# KiCad board traffic_paradise.kicad_pcb (continued)
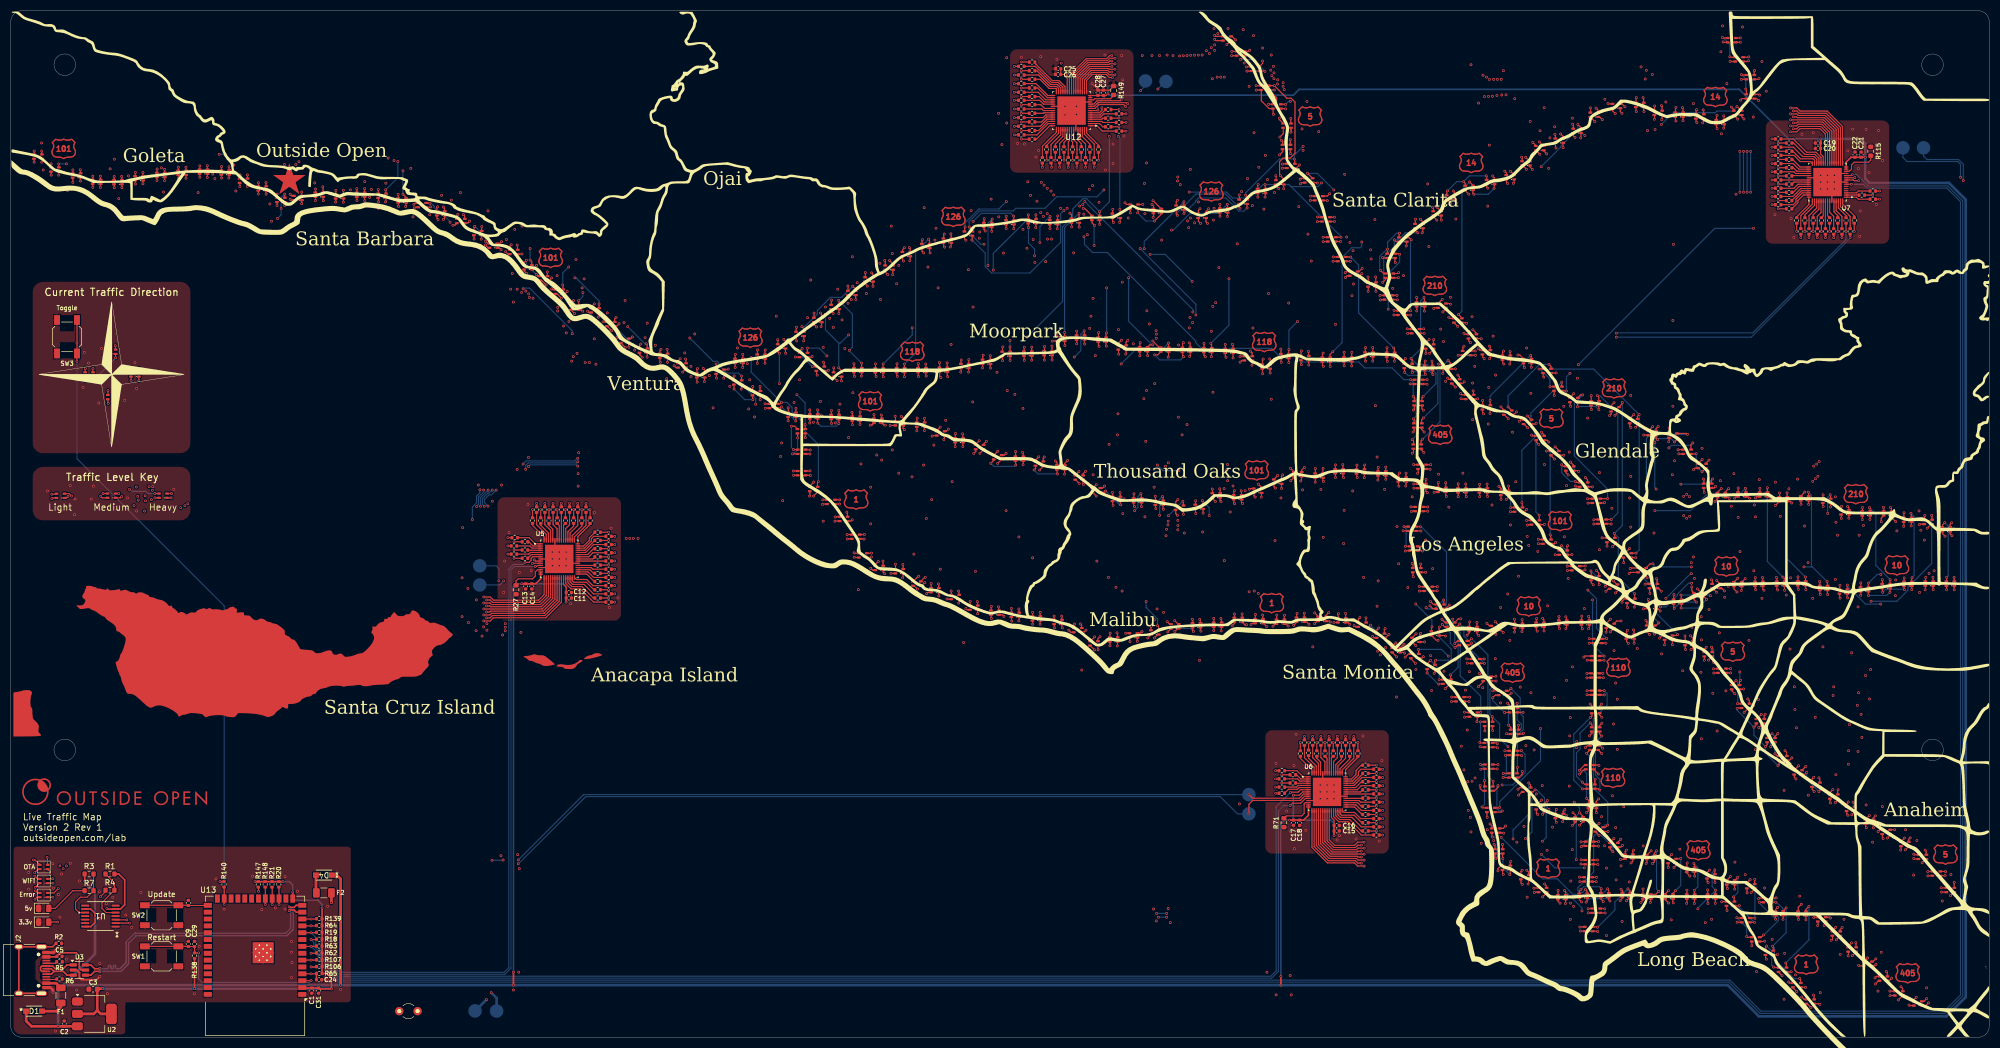
[diagram p0: board, top side]
## Routing (per net, layer and track width the routed paths; a pad name or vN(x,y) marks a point on that pad's centre or on a via; arc(x,y) is an arc through that point) (continued)
  In1.Cu w0.203: v1(299.57,27.5) 300.69,28.61 300.69,34.61 v1(300.62,34.68) ; v1(333.95,7.8) 333.95,9.12 329.32,13.75 v1(328.8,13.75) ; 277.09,37.59 277.42,37.92 285.82,37.92 288.97,34.77 v1(289.28,34.77) ; 277.09,37.59 277.09,37.14 276.4,36.45 v1(274.7,36.45) ; 277.09,37.59 277.09,38.04 274.96,40.16 274.96,41.71 v1(275.82,42.58) ; v1(272.95,70.1) 273.71,70.1 283.38,60.42 v1(283.38,57.22)
  In2.Cu w0.203: v1(250.19,35.6) 252.12,35.6 252.7,35.03 273.33,35.03 274.7,36.4 v1(274.7,36.45) ; v1(272.95,70.1) 272.41,70.64 v1(266.3,70.64) ; v1(289.28,34.77) 296.47,34.77 296.59,34.89 298.71,34.89 299.07,35.25 300.05,35.25 v1(300.62,34.68) ; v1(293.95,20.4) 294.97,21.42 295.5,21.42 296.6,22.52 315.14,22.52 323.91,13.75 v1(328.8,13.75) ; v1(283.38,57.22) 293.77,57.22 v1(294.75,58.2)
  Bottom w0.203: v1(328.8,13.75) 333.1,18.05 v1(333.1,24.25) ; v1(283.38,57.22) 283.38,51.23 275.82,43.67 v1(275.82,42.58) ; v1(299.57,27.5) 297.16,25.09 297.16,23.61 v1(293.95,20.4) ; v1(266.3,70.64) 265.06,71.88 v1(260.77,71.88)
/Matrix 2/ROW0: length 3.7
  Top w0.203: U6.58 241.84,50.26 240.41,51.69 240.41,52.07
/Matrix 2/ROW1: length 5.9
  Top w0.203: R56.1 239.65,51.82 241.44,50.03 U6.59
/Matrix 2/ROW2: length 4
  Top w0.203: R57.1 238.89,51.69 241.04,49.54 U6.60
/Matrix 2/ROW3: length 5.8
  Top w0.203: U6.48 245.84,50.26 247.27,51.69 R58.1
/Matrix 2/ROW4: length 3.6
  Top w0.203: U6.49 245.44,50.5 246.51,51.57 R59.1
/Matrix 2/ROW5: length 5.5
  Top w0.203: U6.50 245.04,51.12 245.75,51.82 R60.1
/Matrix 2/ROW6: length 5.5
  Top w0.203: R61.1 242.7,51.82 243.44,51.08 U6.54
/Matrix 2/ROW7: length 3.4
  Top w0.203: R66.1 241.94,51.69 242.64,50.99 U6.56
/Matrix 2/ROW8: length 5.6
  Top w0.203: U6.57 242.24,50.75 241.17,51.82 R67.1
/Matrix 2/ROW9: length 2.4
  Top w0.203: R68.1 238.05,47.07 U6.4
/Matrix 2/ROW10: length 4.6
  Top w0.203: R69.1 238.19,46.36 238.5,46.67 U6.5
/Matrix 2/ROW11: length 4.9
  Top w0.2: R70.1 236.71,45.95 238.36,45.95 238.67,46.27 U6.6
/Matrix 2/ROW12: length 4.9
  Top w0.203: U6.1 239.39,48.27 238.25,49.41 R72.1
/Matrix 2/ROW13: length 2.7
  Top w0.203: U6.2 238.97,47.87 238.19,48.65 R73.1
/Matrix 2/ROW14: length 4.6
  Top w0.203: R74.1 238.38,47.88 238.79,47.47 U6.3
/Matrix 2/ROW15: length 3.3
  Top w0.203: U6.51 244.64,51.73 R75.1
/Matrix 2/ROW16: length 5.2
  Top w0.203: U6.52 244.24,54.09 R76.1
/Matrix 2/ROW17: length 3.3
  Top w0.203: R77.1 243.84,51.69 U6.53
/Matrix 2/ROW18: length 4.7
  Top w0.203: U6.45 247.29,49.61 249.56,51.88 R78.1
/Matrix 2/ROW19: length 6.1
  Top w0.203: U6.46 246.64,49.54 248.79,51.69 R79.1
/Matrix 2/ROW20: length 3.9
  Top w0.203: R80.1 248.03,51.57 246.24,49.78 U6.47
/Matrix 2/ROW21: length 4
  Top w0.203: U6.42 248.71,47.07 250.44,48.81 R81.1
/Matrix 2/ROW22: length 6.4
  Top w0.203: U6.43 248.52,47.47 249.65,48.6 249.65,49.2 250.11,49.66 R82.1
/Matrix 2/ROW23: length 4.7
  Top w0.203: 250.44,50.34 R83.1 250.17,50.42 249.2,49.45 249.2,48.7 248.37,47.87 U6.44
/Matrix 2/ROW24: length 3.2
  Top w0.203: R84.1 250.38,44.27 U6.35
/Matrix 2/ROW25: length 5.2
  Top w0.203: U6.37 252.46,45.07 R85.1
/Matrix 2/ROW26: length 3.3
  Top w0.203: U6.38 250.06,45.47 R86.1
/Matrix 2/ROW27: length 5.5
  Top w0.203: R87.1 250.25,39.76 248.85,41.15 246.51,41.15 246.24,41.42 U6.29
/Matrix 2/ROW28: length 6.5
  Top w0.203: R88.1 250.06,40.52 248.92,41.66 247.01,41.66 246.65,42.03
/Matrix 2/ROW29: length 3.7
  Top w0.203: R89.1 250.32,41.28 248.93,42.67 U6.31
/Matrix 2/ROW30: length 5.5
  Top w0.203: U6.39 249.43,45.87 250.18,46.61 R90.1
/Matrix 2/ROW31: length 3.6
  Top w0.203: R91.1 250.23,47.38 249.12,46.27 U6.40
/Matrix 2/ROW32: length 5.8
  Top w0.203: R92.1 250.29,48.14 248.82,46.67 U6.41
/Matrix 2/ROW33: length 5.3
  Top w0.203: R93.1 250.06,43.57 249.76,43.87 U6.34
/Matrix 2/ROW34: length 5.6
  Top w0.203: U6.32 249.16,43.07 250.19,42.04 R94.1
/Matrix 2/ROW35: length 3.4
  Top w0.203: R95.1 250.19,42.8 249.52,43.47 U6.33
/Matrix 2/ROW36: length 10
  Top w0.203: U6.26 245.04,40.9 246,39.93 247.73,39.93 250.19,37.47 R96.1
/Matrix 2/ROW37: length 7.1
  Top w0.203: R97.1 250.14,38.23 248.03,40.34 246.17,40.34 245.44,41.07 U6.27
/Matrix 2/ROW38: length 8.3
  Top w0.203: R98.1 250.19,38.99 248.44,40.75 246.34,40.75 245.84,41.24 U6.28
/Matrix 3/COL0: length 335.8
  Top w0.203: 294.17,85.49 294.17,86.05 v1(293.73,86.5) ; 357.42,30.73 358.37,30.73 v1(358.43,30.68) ; 320.64,84.38 320.68,84.38 v1(321.3,85) ; 290.26,118.51 290.8,119.05 v1(291.2,119.05) ; 268.37,121.97 268.37,122.43 v1(268.07,122.73) ; v1(329.69,167.81) 330.87,167.81 331.47,168.41 335.14,168.41 336.15,167.4 U7.24 ; v1(318.23,101.68) 317.59,101.04 317.59,100.89 ; 274.06,127.35 274.06,127.95 v1(273.9,128.1) ; v1(295.8,99.85) 295.77,99.82 294.43,99.82 ; 265.82,101.85 265.82,102.75 v1(265.8,102.78) ; 320.23,65.28 320.23,65.93 v1(320.45,66.15) ; 284,76.85 284,77.4 v1(283.77,77.62)
  In1.Cu w0.203: v1(358.43,30.68) 358.43,44.2 343.59,59.03 343.59,60 v1(342.07,61.51) ; v1(293.73,86.5) 284.85,77.62 v1(283.77,77.62) ; v1(265.8,102.78) v1(265.8,121.57) ; v1(291.2,119.05) 290.46,119.79 288.94,119.79 288.41,119.26 287.74,119.26 286.96,120.04 284.71,120.04 282.76,121.99 281.76,121.99 279.99,123.76 276.89,123.76 276.49,124.16 ; v1(307.5,99.69) 305.07,102.11 297.64,102.11 295.8,100.28 v1(295.8,99.85) ; 276.49,124.16 273.9,126.75 v1(273.9,128.1) ; 276.49,124.16 276.49,124.15 v1(275.06,122.73) ; v1(322.87,61.51) 322.29,62.1 322.29,64.31 v1(320.45,66.15) ; 321.05,85.25 319.2,83.39 319.2,82.26 320.31,81.15 v1(320.31,67.71) ; 321.05,85.25 v1(321.3,85) ; 321.05,85.25 320.99,85.31 320.99,90.13 318.51,92.61 318.51,98.2 v1(318.73,98.42)
  In2.Cu w0.203: 314.93,99.33 315.83,98.42 v1(318.73,98.42) ; 314.93,99.33 314.56,99.69 v1(307.5,99.69) ; 314.93,99.33 316.43,100.83 317.38,100.83 v1(318.23,101.68) ; v1(342.07,61.51) v1(322.87,61.51) ; v1(293.73,86.5) 293.14,85.91 292.51,85.91 292.21,86.21 292.21,97.06 293.6,98.45 295.6,98.45 296.1,98.95 296.1,99.55 v1(295.8,99.85) ; v1(291.2,119.05) 291.58,119.43 294.89,119.43 299.41,123.94 299.41,155.78 307.31,163.68 322.73,163.68 325.75,166.7 325.75,166.71 326.85,167.81 v1(329.69,167.81) ; v1(265.8,121.57) 266.92,121.57 v1(268.07,122.73) v1(275.06,122.73)
  Bottom w0.203: v1(320.31,67.71) 320.31,66.29 v1(320.45,66.15) ; v1(291.2,119.05) 289.66,117.51 289.66,107.74 295.8,101.6 v1(295.8,99.85)
/Matrix 3/COL1: length 364.7
  Top w0.203: 297.63,83.92 297.53,83.92 v1(296.88,84.58) ; v1(288.07,77.93) 288.2,77.8 288.2,77.25 ; U7.16 339.35,168.79 336.49,171.66 331.47,171.66 330.87,172.25 v1(329.69,172.25) ; v1(270.9,119.8) 270.96,119.74 270.96,119.07 ; v1(293.9,118.91) 294.17,118.64 294.17,117.9 ; 322.06,61.82 322.06,62.41 v1(321.77,62.7) ; 295.49,95.96 296.47,95.96 v1(296.48,95.95) ; v1(321.35,101.75) 321.4,101.7 321.4,100.99 ; v1(269.53,102.55) 269.53,101.75 ; 360.01,27.68 360.01,28.68 v1(360.02,28.7) ; v1(277.75,127.1) 277.76,127.09 277.76,126.34 ; 324.55,84.43 324.55,85.15 v1(324.5,85.2)
  In1.Cu w0.203: v1(360.02,28.7) 360.02,43.11 344.32,58.81 v1(344.32,62.7) ; v1(288.07,77.93) 288.07,79.58 293.07,84.58 v1(296.88,84.58) 297.58,85.28 297.58,94.84 v1(296.48,95.95) ; v1(321.35,101.75) 321.35,86.27 322.97,84.65 323.95,84.65 ; v1(269.53,102.55) 274.57,107.59 274.57,115.93 273.36,117.15 273.36,118.07 271.62,119.8 v1(270.9,119.8) 272.11,121.01 272.11,127.05 273.7,128.64 276.21,128.64 v1(277.75,127.1) 279.27,127.1 280.82,125.55 284.82,125.55 286.81,123.56 286.81,121.21 287.64,120.39 292.43,120.39 v1(293.9,118.91) ; v1(323.74,62.59) 325.34,64.18 325.34,83.26 323.95,84.65 ; v1(324.5,85.2) 323.95,84.65
  In2.Cu w0.203: v1(304.56,97.6) 298.12,97.6 v1(296.48,95.95) ; v1(277.75,127.1) 284.05,127.1 288.56,122.59 288.56,121.73 289.41,120.88 294.29,120.88 297.96,124.55 297.96,156.38 306.71,165.13 318.98,165.13 326.1,172.25 v1(329.69,172.25) ; v1(323.74,62.59) 321.89,62.59 v1(321.77,62.7) v1(344.32,62.7)
  Bottom w0.203: v1(304.56,97.6) 311.16,97.6 314.02,100.46 320.06,100.46 v1(321.35,101.75) ; v1(296.48,95.95) 297.69,97.17 297.69,115.59 294.37,118.91 v1(293.9,118.91)
/Matrix 3/COL2: length 339.6
  Top w0.203: 300.83,81.28 300.83,82.2 v1(300.8,82.23) ; v1(328.3,85.28) 328.56,85.01 328.56,84.48 ; v1(297.05,93.38) 297.12,93.31 297.12,92.56 ; v1(273.48,102.53) 273.5,102.5 273.5,101.75 ; 274.06,117.14 274.06,118.05 v1(274.05,118.05) ; 292.4,77.25 292.4,77.9 v1(292.3,78) ; v1(354.62,34.68) 354.83,34.47 354.83,33.83 ; v1(281.57,126.4) 281.68,126.3 281.68,125.73 ; v1(330.2,171.7) 330.85,171.7 331.3,171.25 336.32,171.25 338.95,168.62 U7.17 ; 325.41,100.99 325.41,101.84 v1(325.4,101.85) ; 324.8,58.98 324.8,59.65 v1(325,59.85) ; 297.88,116.79 298.52,117.43 v1(298.52,117.65)
  In1.Cu w0.203: v1(292.3,78) 299.78,78 301.26,79.48 301.26,81.76 v1(300.8,82.23) ; v1(328.3,85.28) 326.81,83.79 326.81,82.69 326.99,82.51 326.99,61.84 v1(325,59.85) ; v1(273.48,102.53) 274.94,103.99 274.94,117.16 v1(274.05,118.05) ; v1(342.77,59.85) 342.77,57.63 354.62,45.78 v1(354.62,34.68) ; v1(298.52,117.65) 298.31,117.65 294.85,121.11 289.77,121.11 284.49,126.4 v1(281.57,126.4)
  In2.Cu w0.203: v1(300.8,82.23) 301.34,82.76 303.86,82.76 305.28,81.35 v1(306.59,81.35) ; v1(328.3,85.28) 327.66,85.92 v1(311.32,85.92) ; v1(325,59.85) v1(342.77,59.85) ; v1(330.2,171.7) 326.06,171.7 319.13,164.77 306.86,164.77 298.32,156.23 298.32,124.4 294.44,120.52 289.26,120.52 288.2,121.58 288.2,122.44 284.24,126.4 v1(281.57,126.4)
  Bottom w0.203: v1(328.3,85.28) 325.4,88.18 v1(325.4,101.85) ; v1(298.52,117.65) 298.52,94.85 v1(297.05,93.38) 297.79,92.64 297.79,85.24 v1(300.8,82.23) ; v1(281.57,126.4) 274.05,118.88 v1(274.05,118.05) ; v1(306.59,81.35) 311.16,85.92 v1(311.32,85.92)
/Matrix 3/COL3: length 327.5
  Top w0.203: v1(327.35,56.3) 326.78,55.74 326.78,55.47 ; 329.07,100.12 329.07,100.88 v1(329.05,100.9) ; v1(277.38,116.83) 278.02,116.18 278.02,116.18 ; 300.17,89.71 301.06,89.71 v1(301.07,89.73) ; v1(277.45,102.15) 277.46,102.14 277.46,101.29 ; 304.74,80.26 305.09,80.26 v1(305.6,79.75) ; 351.58,36.22 351.58,36.68 v1(351.85,36.95) ; 285.28,123.9 285.28,124.37 v1(284.95,124.7) ; v1(298.3,77.15) 297.5,77.15 297,76.65 ; v1(329.69,171.14) 330.83,171.14 331.13,170.84 336.15,170.84 338.55,168.44 U7.18 ; v1(332.45,85.3) 332.48,85.28 332.48,84.53 ; v1(301.65,115.4) 301.33,115.08 301.33,114.6
  In1.Cu w0.203: v1(342.91,55.55) 351.85,46.61 v1(351.85,36.95) ; v1(298.3,77.15) 299.45,77.15 301.82,79.53 301.82,80.39 303.11,81.67 303.68,81.67 v1(305.6,79.75) ; v1(311.36,84.14) 304.97,84.14 303.69,85.42 303.69,87.11 v1(301.07,89.73) ; v1(327.35,56.3) 327.35,80.4 v1(328.91,81.96) ; v1(277.45,102.15) 275.54,104.06 275.54,117.08 275.8,117.34 276.86,117.34 v1(277.38,116.83)
  In2.Cu w0.203: 329.12,84.14 331.29,84.14 v1(332.45,85.3) ; 329.12,84.14 316.26,84.14 316.17,84.05 311.45,84.05 v1(311.36,84.14) ; 329.12,84.14 329.12,82.17 v1(328.91,81.96) ; v1(284.95,124.7) 285.42,124.7 287.84,122.29 287.84,121.43 289.11,120.15 294.59,120.15 298.69,124.25 298.69,156.08 307.01,164.4 319.28,164.4 326.02,171.14 v1(329.69,171.14) ; v1(327.35,56.3) 328.1,55.55 v1(342.91,55.55)
  Bottom w0.203: v1(277.38,116.83) 277.38,118.89 283.19,124.7 v1(284.95,124.7) 285.8,123.85 293.2,123.85 v1(301.65,115.4) 301.65,90.3 v1(301.07,89.73) ; v1(332.45,85.3) 329.05,88.7 v1(329.05,100.9) ; v1(305.6,79.75) 306.57,79.75 308.72,81.9 308.72,82.09 310.78,84.14 v1(311.36,84.14)
/Matrix 3/COL4: length 321.3
  Top w0.203: v1(287.32,121.43) 287.31,121.41 287.31,120.6 ; 280,98.19 280,99.03 v1(279.93,99.1) ; v1(300.6,75.5) 300.7,75.4 300.7,74.65 ; 348.12,38.45 349,38.45 v1(349,38.45) ; v1(305.18,113.2) 304.79,112.81 304.79,112.37 ; 281.67,114.45 281.65,114.45 v1(280.95,115.15) ; 304.48,76.3 304.8,76.3 v1(305.3,76.8) ; 333.03,100.28 333.03,100.99 v1(333,101.03) ; v1(330.2,170.59) 330.81,170.59 330.96,170.44 335.98,170.44 338.15,168.27 U7.19 ; 328.97,52.12 328.97,52.81 v1(328.68,53.1) ; v1(304.2,87.75) 303.69,87.75 302.91,86.97 ; 336.54,83.67 336.54,84.39 v1(336.48,84.45)
  In1.Cu w0.203: v1(349,38.45) 349,44.55 v1(340.45,53.1) ; v1(287.32,121.43) 288,120.75 294.7,120.75 299,116.45 301.93,116.45 v1(305.18,113.2) ; v1(313.17,55.31) 313.17,62.79 300.6,75.36 v1(300.6,75.5) ; v1(302.99,101.6) 302.99,88.96 v1(304.2,87.75)
  In2.Cu w0.203: v1(311.34,87.17) v1(332.18,87.17) ; v1(340.45,53.1) v1(328.68,53.1) 326.47,55.31 v1(313.17,55.31) ; v1(300.6,75.5) 304,75.5 v1(305.3,76.8) ; v1(330.2,170.59) 325.98,170.59 319.43,164.04 307.16,164.04 299.05,155.93 299.05,124.09 294.74,119.79 288.96,119.79 v1(287.32,121.43)
  Bottom w0.203: v1(304.2,87.75) 304.38,87.57 304.38,87.17 ; v1(279.93,99.1) 279.93,108.78 282.26,111.12 282.26,112.42 281.6,113.09 281.6,115.15 ; v1(336.48,84.45) 333.75,87.17 333.57,87.17 ; 333.57,87.17 333.57,100.45 v1(333,101.03) ; 333.57,87.17 v1(332.18,87.17) ; v1(280.95,115.15) 281.6,115.15 ; 281.6,115.15 281.6,115.7 v1(287.32,121.43) ; 304.38,87.17 v1(311.34,87.17) ; 304.38,87.17 302.58,85.37 302.58,84.93 304.47,83.05 304.47,77.64 v1(305.3,76.8) ; v1(305.18,113.2) 302.99,111.02 v1(302.99,101.6)
/Matrix 3/COL5: length 307.2
  Top w0.203: v1(329.69,170.03) 335.81,170.03 337.75,168.09 U7.20 ; 331.81,49.48 331.81,49.49 v1(332.52,50.2) ; v1(337.05,100.55) 337.1,100.5 337.1,99.82 ; v1(304.88,84.98) 304.99,84.86 304.99,84.02 ; v1(345.4,41.03) 345.02,40.65 345.02,40.33 ; v1(283.12,96.78) 283.15,96.75 283.15,95.81 ; 340.2,83.01 340.2,83.77 v1(340.23,83.8) ; v1(360,85.25) 360.01,85.24 360.01,84.48 ; v1(283.55,112.15) 284.01,111.69 284.01,111.45 ; 308.6,111.91 310.44,111.91 v1(310.6,111.75) ; v1(308.77,74.62) 308.6,74.45 307.8,74.45
  In1.Cu w0.203: v1(304.55,110.23) 304.11,109.79 289.49,109.79 287.12,112.15 v1(283.55,112.15) ; 336.58,87.97 336.58,87.45 v1(340.23,83.8) ; 336.58,87.97 v1(332.95,87.97) ; 336.58,87.97 v1(336.58,97.09) ; v1(304.88,84.98) 305.07,85.17 305.07,87.97 ; v1(346.42,80.29) 333.71,67.58 333.71,57.31 v1(340.41,50.61) 345.4,45.62 v1(345.4,41.03) ; v1(304.79,101.6) 305.07,101.32 305.07,87.97 ; 305.07,87.97 v1(311.32,87.97) ; 320.32,156.69 v1(320.32,156.62) ; v1(320.3,164.19) 320.3,164.14
  In2.Cu w0.203: v1(320.32,156.62) 320.32,153.48 311.24,144.4 311.24,112.39 v1(310.6,111.75) ; v1(332.52,50.2) 332.93,50.61 v1(340.41,50.61) ; v1(320.3,164.19) 320.3,164.23 326.1,170.03 v1(329.69,170.03) ; v1(360,85.25) 355.04,80.29 v1(346.42,80.29) ; v1(311.32,87.97) v1(332.95,87.97)
  Bottom w0.203: v1(304.88,84.98) 304.88,78.53 v1(308.77,74.62) ; v1(340.23,83.8) 340.23,83.63 343.57,80.29 v1(346.42,80.29) ; v1(337.05,100.55) 336.58,100.08 v1(336.58,97.09) ; v1(283.55,112.15) 283.55,111.63 282.54,110.62 282.54,97.36 v1(283.12,96.78) ; v1(304.79,101.6) 304.55,101.84 v1(304.55,110.23) 304.55,110.99 305.31,111.75 v1(310.6,111.75) ; v1(320.32,156.62) 320.32,164.17 v1(320.3,164.19)
/Matrix 3/COL6: length 319.4
  Top w0.203: v1(340.27,98.38) 340.5,98.15 340.5,97.69 ; v1(285.18,93.1) 285.28,92.99 285.28,92.25 ; 311.24,108.91 311.24,109.79 v1(311.6,110.15) ; v1(309.4,81.95) 309.46,81.89 309.46,81.12 ; v1(286.1,109.43) 286.75,108.77 286.75,108.66 ; U7.21 337.35,167.92 335.64,169.63 330.96,169.63 330.81,169.48 v1(330.2,169.48) ; v1(356.08,85.25) 356.1,85.23 356.1,84.48 ; v1(344.15,84.18) 344.11,84.13 344.11,83.41 ; v1(311.15,74.4) 311.6,73.95 311.6,73.45 ; 271.6,76.05 v1(271.6,76.9) ; 335.12,47.19 335.12,47.91 v1(334.95,48.08)
  In1.Cu w0.203: 321.1,156.74 v1(320.98,156.62) ; v1(286.1,109.43) 306.96,109.43 v1(307.16,109.22) ; v1(323.18,53.29) 309.72,66.75 v1(309.72,67.92) 309.72,72.97 v1(311.15,74.4) 310.92,74.63 310.92,80.43 v1(309.4,81.95) ; v1(344.15,84.18) 343.64,83.67 342.5,83.67 339.98,86.19 339.98,98.08 v1(340.27,98.38) ; v1(271.6,76.9) 271.6,83.51 v1(280.91,92.82) ; v1(356.08,85.25) v1(355.35,85.97)
  In2.Cu w0.203: v1(346.43,85.77) 346.62,85.97 v1(355.35,85.97) ; v1(285.18,93.1) 281.19,93.1 v1(280.91,92.82) ; v1(320.98,156.62) 320.98,153.63 311.6,144.25 v1(311.6,110.15) ; v1(314.86,81.83) 316.03,80.66 342.21,80.66 344.15,82.6 v1(344.15,84.18) ; v1(320.98,164.19) 320.98,164.33 325.4,168.75 326.13,169.48 v1(330.2,169.48) ; v1(334.95,48.08) 333.39,49.64 328.8,49.64 325.14,53.29 v1(323.18,53.29) ; v1(309.72,67.92) 308.32,69.32 294.87,69.32 289.72,74.47 282.86,74.47 281.14,76.19 272.31,76.19 v1(271.6,76.9)
  Bottom w0.203: v1(344.15,84.18) 345.75,85.77 v1(346.43,85.77) ; v1(286.1,109.43) 285.18,108.5 v1(285.18,93.1) ; v1(307.16,109.22) 307.63,109.7 311.15,109.7 v1(311.6,110.15) ; v1(309.4,81.95) 314.74,81.95 v1(314.86,81.83) ; v1(320.98,164.19) v1(320.98,156.62)
/Matrix 3/COL7: length 312.5
  Top w0.203: v1(315.05,72.3) 315.15,72.2 315.15,71.37 ; 344.41,97.48 344.41,98.06 v1(344.33,98.15) ; U7.22 336.95,167.75 335.48,169.22 331.13,169.22 330.83,168.92 v1(329.68,168.92) ; 289.5,105.81 289.5,106.03 v1(288.93,106.6) ; v1(288.43,91.1) 288.28,90.95 288.28,90.22 ; v1(348.15,84.8) 348.12,84.77 348.12,84.02 ; v1(314.6,106.98) 314.03,106.41 314.03,106.27 ; v1(312.43,83.1) 313.18,82.34 313.22,82.34 ; 275.7,76.25 275.7,76.3 v1(275,77) ; v1(359.52,95.35) 359.25,95.07 359.25,94.54 ; 338.42,45.01 338.42,45.77 v1(338.5,45.85)
  In1.Cu w0.203: v1(344.33,98.15) 343.84,97.66 342.62,97.66 338.53,101.75 330.02,101.75 329.41,102.36 321.24,102.36 320.9,102.02 320.54,102.38 ; 320.54,102.38 319.19,102.38 v1(314.6,106.98) ; 320.54,102.38 320.54,100.37 319.49,99.32 318.14,99.32 ; v1(275,77) 282.88,84.88 v1(282.88,90.04) ; v1(312.43,83.1) 311.2,81.88 311.2,80.66 311.28,80.58 311.28,76.89 315.05,73.12 v1(315.05,72.3) ; v1(315.47,69.48) 316.16,68.79 316.16,67.19 318.64,64.7 318.64,59.07 325.78,51.93 326.56,51.93 329.8,48.69 329.8,47.69 332.63,44.86 v1(332.99,44.86) ; v1(288.43,91.1) 290.39,93.07 290.39,103.58 v1(289.62,104.35) ; 318.14,99.32 317.04,100.43 312.77,100.43 306.6,106.6 v1(288.93,106.6) ; 318.14,99.32 v1(318.14,83.59) ; v1(353.84,93.97) 348.15,88.28 v1(348.15,84.8)
  In2.Cu w0.203: v1(359.52,95.35) 358,93.82 353.99,93.82 v1(353.84,93.97) ; v1(321.64,156.62) 321.64,114.02 v1(314.6,106.98) ; v1(321.64,164.19) 321.64,164.25 326.31,168.92 v1(329.68,168.92) ; v1(312.43,83.1) 312.91,83.59 v1(318.14,83.59) ; v1(282.88,90.04) 287.37,90.04 v1(288.43,91.1) ; v1(338.5,45.85) 337.51,44.86 v1(332.99,44.86)
  Bottom w0.203: v1(344.33,98.15) 345.5,96.97 345.5,87.45 v1(348.15,84.8) ; v1(288.93,106.6) 289.62,105.91 v1(289.62,104.35) ; v1(315.05,72.3) 315.47,71.88 v1(315.47,69.48) ; v1(321.64,156.62) v1(321.64,164.19)
/Matrix 3/COL8: length 276.5
  Top w0.203: v1(291.7,103.73) 292.09,103.34 292.09,102.82 ; v1(330.2,168.37) 330.85,168.37 331.3,168.81 335.31,168.81 336.55,167.57 U7.23 ; 352.13,84.43 352.13,85.11 v1(352.2,85.18) ; 352.08,96.31 352.08,97.02 v1(352,97.1) ; 316.62,84.02 316.62,84.05 v1(316.02,84.65) ; v1(341.27,43.58) 341.52,43.33 341.52,42.72 ; v1(315.27,103.48) 315.05,103.25 315.05,102.61 ; v1(348.2,98.2) 348.38,98.02 348.38,97.48 ; 317.69,68.32 318.6,68.32 v1(318.6,68.33) ; 290.62,87.32 291.65,87.32 v1(291.68,87.35) ; v1(279.98,77.4) 280,77.38 280,76.65
  In1.Cu w0.203: v1(341.27,43.58) 341.27,43.87 330.27,54.88 326.9,54.88 325.76,56.02 325.76,56.22 323.38,58.6 323.38,61.73 323.18,61.93 323.18,64.2 320.18,67.2 319.73,67.2 v1(318.6,68.33) 318.05,68.88 318.05,82.88 316.28,84.65 v1(316.02,84.65) 316.02,95.87 309.42,102.48 ; 293.5,102.22 291.99,103.73 v1(291.7,103.73) ; 293.5,102.22 293.76,102.48 309.42,102.48 ; 293.5,102.22 293.5,101.75 292.2,100.45 292.02,100.45 291.55,99.99 291.55,87.47 v1(291.68,87.35) 292.14,86.89 292.14,86.41 288.11,82.38 284.96,82.38 v1(279.98,77.4) ; 309.42,102.48 v1(309.38,102.51) ; 322.3,156.69 v1(322.3,156.62) ; v1(326.9,102.87) 329.41,102.87 330.17,102.11 344.29,102.11 v1(348.2,98.2) 350.45,98.2 351.55,97.1 v1(352,97.1) ; v1(322.3,164.19) 322.3,164.12
  In2.Cu w0.203: v1(326.9,102.87) 322.3,107.47 322.3,110.5 ; 322.3,110.5 v1(322.3,156.62) ; 322.3,110.5 v1(315.27,103.48) ; v1(322.3,164.19) 326.48,168.37 v1(330.2,168.37)
  Bottom w0.203: v1(322.3,164.19) v1(322.3,156.62) ; v1(309.38,102.51) 314.31,102.51 v1(315.27,103.48) ; v1(352,97.1) 352.58,96.52 352.58,85.56 v1(352.2,85.18)
/Matrix 3/IND_B: length 4.6
  Top w0.203: 344.42,155.32 342.26,155.32 341.89,155.7 U7.1
/Matrix 3/IND_G: length 2.4
  Top w0.203: U7.2 342.38,156.1 R145.1
/Matrix 3/IND_R: length 4.6
  Top w0.203: U7.3 341.92,156.5 342.27,156.85 344.42,156.85
/Matrix 3/ROW0: length 8.3
  Top w0.203: R99.1 330.2,164.98 331.95,163.22 334.05,163.22 334.55,162.73 U7.28
/Matrix 3/ROW1: length 7.1
  Top w0.203: R100.1 330.25,165.74 332.36,163.63 334.22,163.63 334.95,162.9 U7.27
/Matrix 3/ROW2: length 10
  Top w0.203: R101.1 330.2,166.5 332.66,164.04 334.39,164.04 335.35,163.08 U7.26
/Matrix 3/ROW3: length 3.7
  Top w0.203: R102.1 330.07,162.69 331.46,161.3 U7.31
/Matrix 3/ROW4: length 6.5
  Top w0.203: R103.1 330.33,163.45 331.47,162.31 333.38,162.31 333.74,161.94
/Matrix 3/ROW5: length 5.5
  Top w0.203: U7.29 334.15,162.55 333.88,162.82 331.54,162.82 330.14,164.22 R104.1
/Matrix 3/ROW6: length 5.3
  Top w0.203: R105.1 330.33,160.41 330.63,160.1 U7.34
/Matrix 3/ROW7: length 3.4
  Top w0.203: U7.33 330.87,160.5 330.2,161.17 R110.1
/Matrix 3/ROW8: length 5.6
  Top w0.203: U7.32 331.23,160.9 330.2,161.93 R111.1
/Matrix 3/ROW9: length 3.3
  Top w0.203: R112.1 330.33,158.5 U7.38
/Matrix 3/ROW10: length 5.2
  Top w0.203: U7.37 327.94,158.9 R113.1
/Matrix 3/ROW11: length 3.2
  Top w0.203: U7.35 330,159.7 R114.1
/Matrix 3/ROW12: length 5.8
  Top w0.203: U7.41 331.61,157.3 330.14,155.83 R116.1
/Matrix 3/ROW13: length 3.6
  Top w0.203: R117.1 330.2,156.59 331.31,157.7 U7.40
/Matrix 3/ROW14: length 5.5
  Top w0.203: U7.39 331.07,158.1 330.33,157.36 R118.1
/Matrix 3/ROW15: length 3.9
  Top w0.203: U7.47 334.15,154.19 332.36,152.4 R119.1
/Matrix 3/ROW16: length 6.1
  Top w0.203: U7.46 333.75,154.43 331.6,152.28 R120.1
/Matrix 3/ROW17: length 4.7
  Top w0.203: R121.1 330.84,152.09 333.11,154.36 U7.45
/Matrix 3/ROW18: length 5.5
  Top w0.203: U7.50 335.35,152.86 334.64,152.15 R122.1
/Matrix 3/ROW19: length 3.6
  Top w0.203: R123.1 333.88,152.4 334.95,153.47 U7.49
/Matrix 3/ROW20: length 5.8
  Top w0.203: R124.1 333.12,152.28 334.55,153.71 U7.48
/Matrix 3/ROW21: length 4.6
  Top w0.203: U7.44 332.1,156.1 331.06,155.06 331.06,154.66 R125.1 330.07,153.55
/Matrix 3/ROW22: length 6.4
  Top w0.203: R126.1 330.2,154.31 330.7,154.81 330.7,155.34 331.86,156.5 U7.43
/Matrix 3/ROW23: length 3.9
  Top w0.203: U7.42 331.75,156.9 329.95,155.1 R127.1
/Matrix 3/ROW24: length 4
  Top w0.203: R128.1 341.5,152.28 339.35,154.43 U7.60
/Matrix 3/ROW25: length 5.9
  Top w0.203: U7.59 338.95,153.94 340.74,152.15 R129.1
/Matrix 3/ROW26: length 3.7
  Top w0.203: R130.1 339.98,152.28 338.55,153.71 U7.58
/Matrix 3/ROW27: length 5.5
  Top w0.203: U7.54 336.95,152.89 337.69,152.15 R131.1
/Matrix 3/ROW28: length 3.4
  Top w0.203: R132.1 338.46,152.28 337.75,152.98 U7.56
/Matrix 3/ROW29: length 5.6
  Top w0.203: U7.57 338.15,153.22 339.22,152.15 R133.1
/Matrix 3/ROW30: length 3.3
  Top w0.203: U7.53 336.55,152.28 R134.1
/Matrix 3/ROW31: length 5.2
  Top w0.203: R135.1 336.15,149.88 U7.52
/Matrix 3/ROW32: length 3.3
  Top w0.203: R136.1 335.75,152.24 U7.51
/Matrix 4/COL0: length 387.4
  Top w0.203: 139.7,126.55 139.7,127.33 v1(139.75,127.38) ; 313.6,171.07 313.6,171.78 v1(313.5,171.88) ; 221.4,152.65 221.4,153.05 v1(221.9,153.55) ; 210.56,127.91 210.97,128.33 v1(211.56,128.33) ; v1(257.1,141.7) 256.95,141.55 256.07,141.55 ; v1(226.9,184.85) 226.23,185.52 226,185.52 ; v1(244.9,127.05) 244.39,126.54 244.39,125.98 ; v1(177.48,125.58) 177.43,125.53 177.43,124.81 ; 243.02,155.9 243.86,155.9 v1(244.31,156.35) ; v1(181.8,151.65) 181.7,151.55 181.7,150.95 ; 159.7,140.85 159.7,141.45 v1(159.48,141.68) ; v1(280.65,163.07) 281.35,162.38 281.4,162.38 ; 150.2,133.35 150.2,134.03 v1(150,134.22) ; v1(204.56,180.43) 203.58,180.43 203.44,180.28 199.66,180.28 197.3,177.92 U12.21
  In1.Cu w0.203: v1(304.6,168.25) 309.88,168.25 v1(313.5,171.88) ; v1(250.27,147.39) 250.27,150.09 244.31,156.05 v1(244.31,156.35) 244.31,156.56 243.41,157.46 238.8,157.46 236.01,160.25 228.32,160.25 221.9,153.84 v1(221.9,153.55) ; v1(139.75,127.38) 142.22,127.38 144.41,129.56 145.22,129.56 148.96,133.3 ; v1(150,134.22) 149.07,133.3 148.96,133.3 ; v1(181.03,143.05) 181.03,129.12 v1(177.48,125.58) ; 148.96,133.3 148.28,133.97 148.28,134.47 154.88,141.07 158.37,141.07 158.98,141.68 v1(159.48,141.68) ; v1(216.34,128.29) 216.19,128.14 211.75,128.14 v1(211.56,128.33)
  In2.Cu w0.203: 257.84,145.31 257.84,142.44 v1(257.1,141.7) ; 257.84,145.31 260.16,145.31 269.71,154.86 277.73,154.86 285.6,162.73 285.6,163.07 ; 257.84,145.31 255.76,147.39 v1(250.27,147.39) ; 285.6,163.07 290.09,163.07 294.36,167.35 303.7,167.35 v1(304.6,168.25) ; 285.6,163.07 v1(280.65,163.07) ; v1(207.08,140.77) 204.8,143.05 v1(181.03,143.05) 178.74,140.77 160.38,140.77 v1(159.48,141.68) ; v1(221.9,153.55) 221.4,153.05 218.5,153.05 216.34,150.89 216.34,128.88 216.34,128.87 v1(216.34,128.29) ; v1(244.31,156.35) 244.31,158.1 238.36,164.05 238.36,171.39 234.74,175.01 233.91,175.01 231.71,177.21 231.71,180.04 v1(226.9,184.85) 226.9,184.15 225.43,182.67 225.43,181.15 224.56,180.28 204.71,180.28 v1(204.56,180.43)
  Bottom w0.203: v1(211.56,128.33) 211.45,128.33 207.08,132.7 v1(207.08,140.77) ; v1(244.9,127.05) 246.61,128.76 246.61,144.54 248.4,146.33 249.96,146.33 250.27,146.64 v1(250.27,147.39) ; v1(181.8,151.65) 181.03,150.88 v1(181.03,143.05)
